# Altium PCB ALCT_MEZ_LX100.PcbDoc (part 9 of 10) (continued)
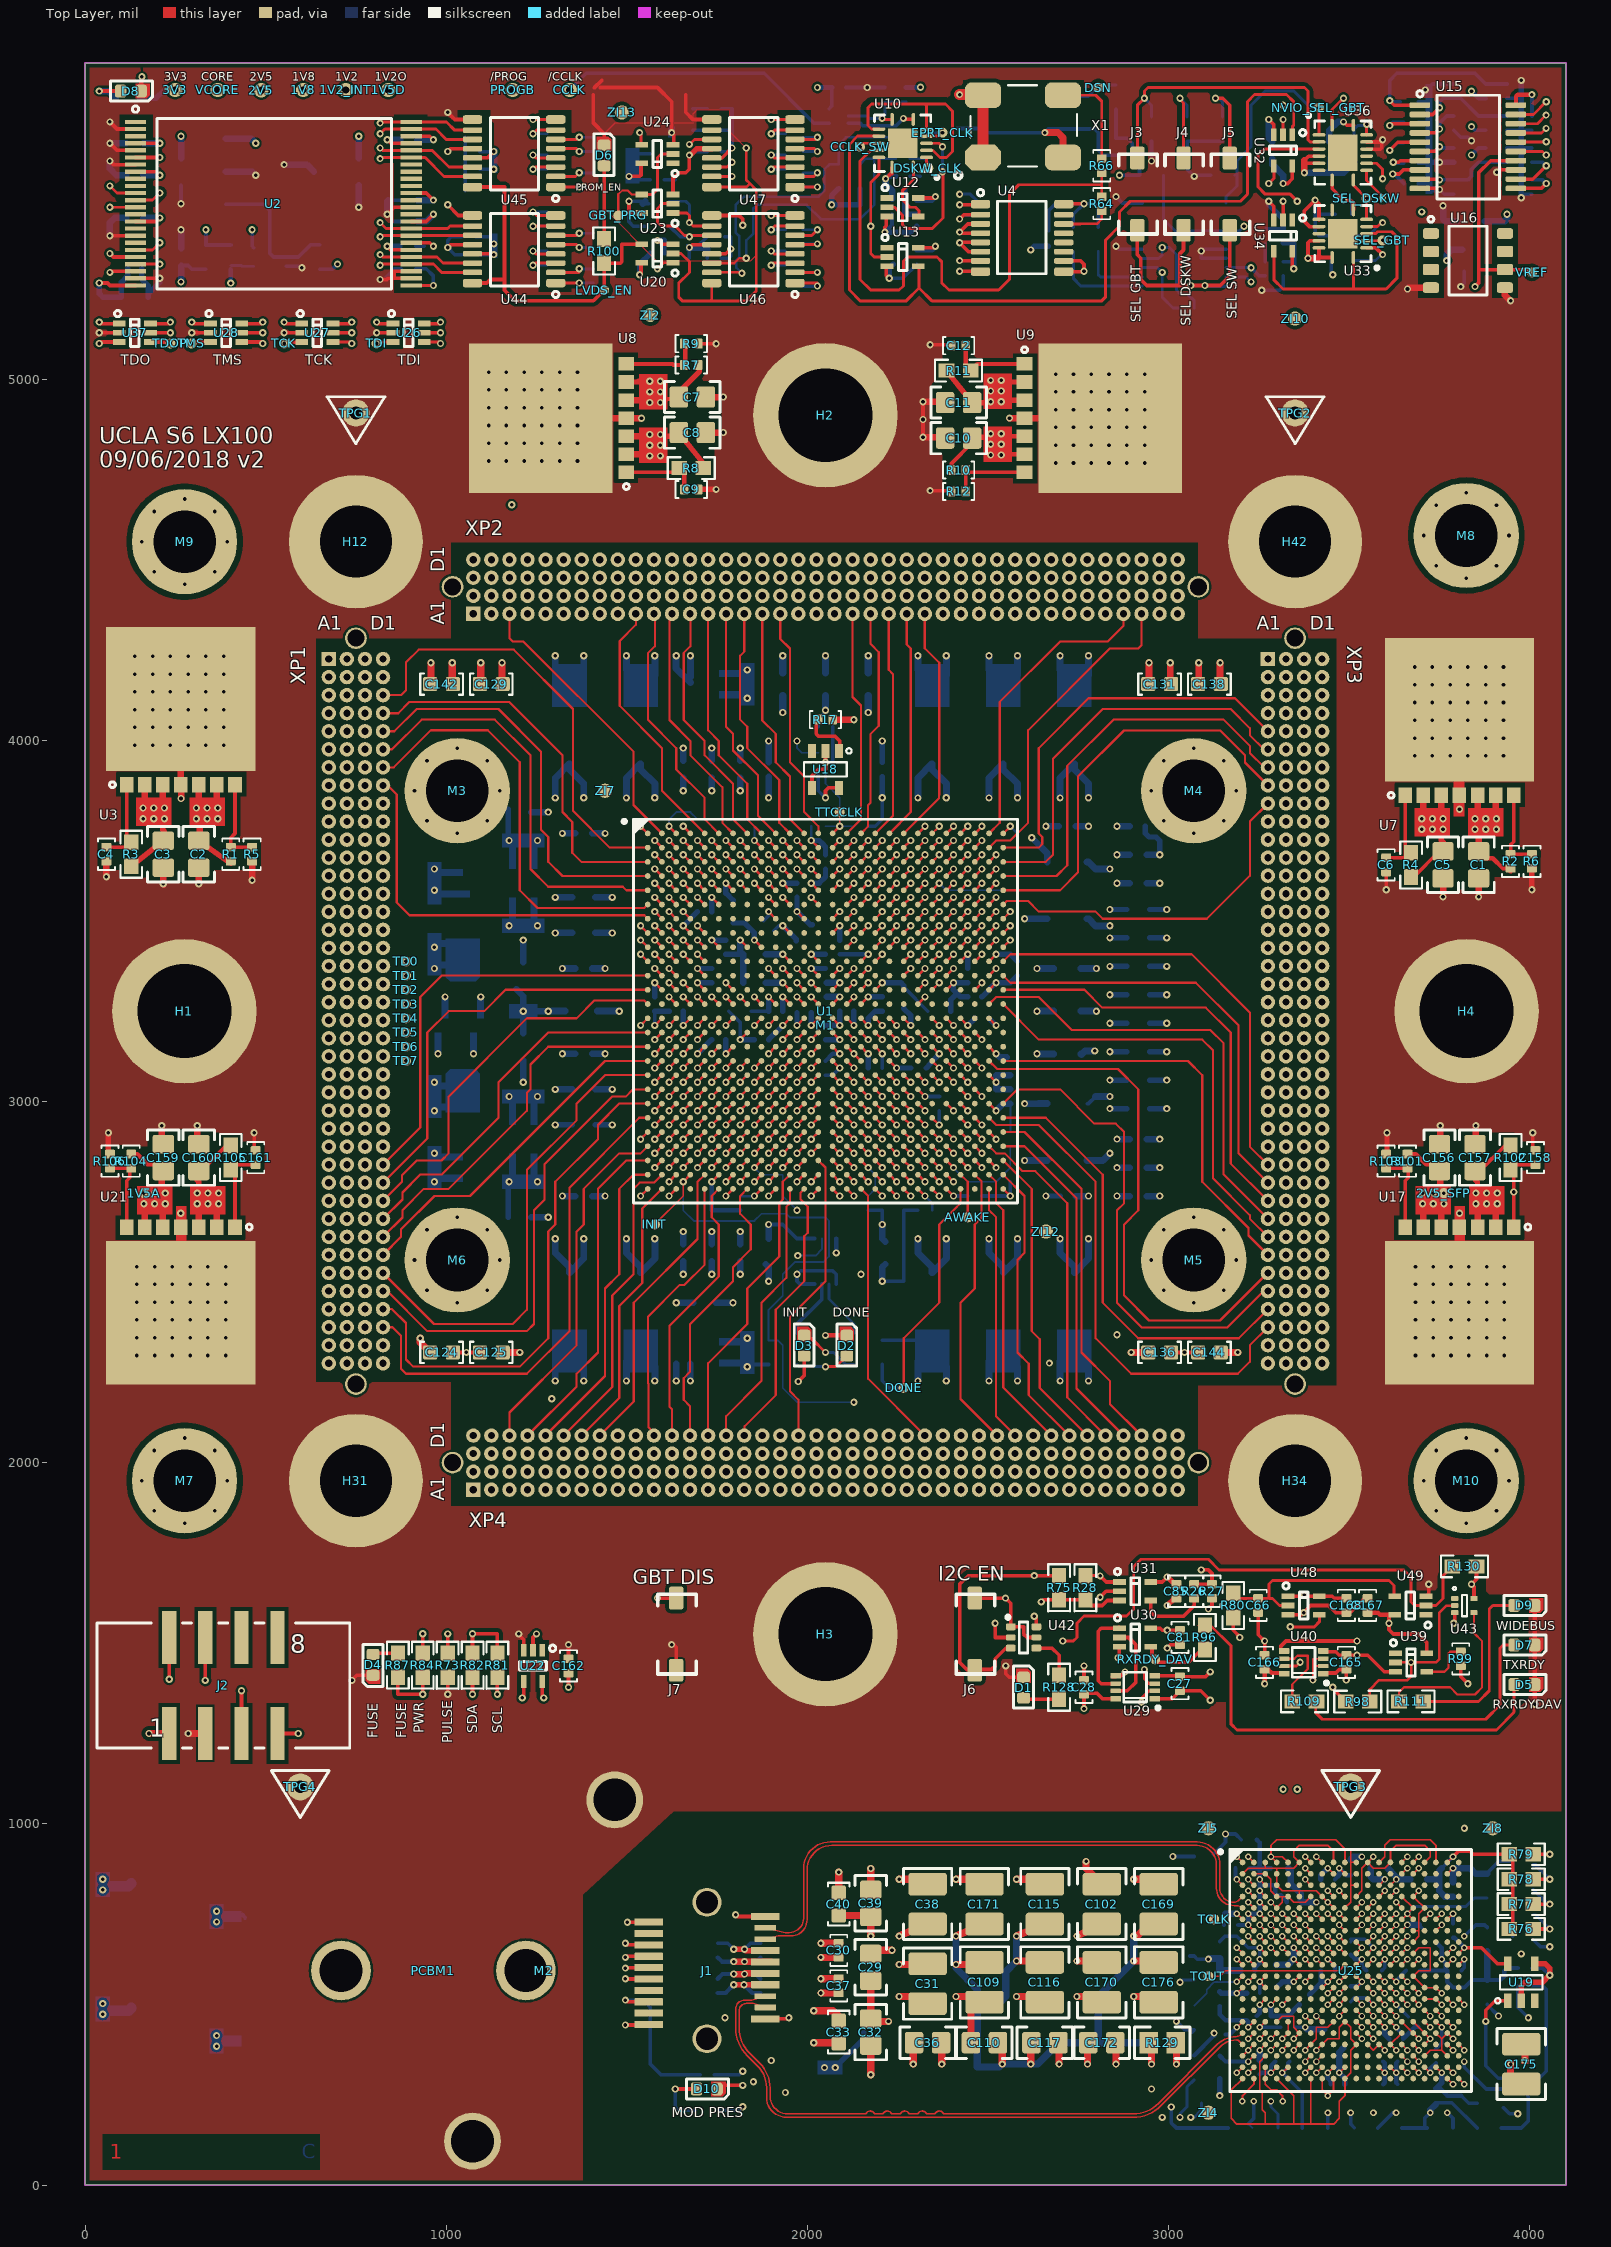
[diagram p0: Top Layer view]
## Polygon pours and split planes (outlines as drawn) (continued)
GND on Top Layer "Top Layer-GND" (solid, remove dead copper, pour order 272): 0,5875 0,0 1377.95,0 1377.95,803.77 1629.38,1034.25 4100,1034.25 4100,5875
no net on Top Layer "NONET_L01_P288" (solid, pour order 288): 1437.01,5679.33 1437.01,5472.44 1581.5,5327.95 1843.7,5327.95 1860.24,5344.49 1858.27,5346.46 1858.27,5523.83 1830.71,5551.39 1830.71,5639.76 1781.5,5688.98 1784.45,5691.93 1784.45,5744.29 1693.9,5744.29 1683.07,5733.46 1683.07,5708.66 1466.34,5708.66
+1V2 on Top Layer "+1V2_L01_P114" (solid, remove dead copper, pour order 114): 1375.2,4808.07 1258.27,4808.07 1258.27,4718.7 1355.51,4718.7 1375.2,4738.39
+3V3 on Top Layer "+3V3_L01_P080" (solid, remove dead copper, pour order 80): 1258.86,5018.5 1258.86,4920.87 1375.79,4920.87 1375.79,5018.5
+3V3 on +3V3 "+3V3_L04_P146" (solid, remove dead copper, pour order 146): 0,2372.24 0,1378.15 0,0.16 2431.1,0.16 2431.1,1181.3 2539.96,1290.16 3070.87,1290.16 3070.87,1368.31 3681.04,1368.31 3848.61,1535.54 3848.36,2608.51 3927.17,2687.8 3927.17,3002.17 3494.09,3002.17 3494.09,4252.17 4100,4252.17 4100,5875 0,5875
+1V5 on +3V3 "+1V5_L04_P128" (solid, remove dead copper, pour order 128): 2362.2,0.16 4100,0.16 4100,1525.79 4100,3868.31 3937.01,3868.31 3799.21,3868.31 3799.21,3710.83 3937.01,3523.82 3937.01,2676.47 3858.21,2597.67 3858.21,1526.32 3690.35,1358.46 3080.71,1358.46 3080.71,1280.32 2540.86,1280.32 2431.1,1170.56 2431.1,846.65 2431.1,679.33 2362.2,679.33
GND on +3V3 "GND_L04_P206" (solid, remove dead copper, pour order 206): 3503.94,3012.01 4100,3012.01 4100,4242.32 3503.94,4242.32
GND on Mid-Layer 2 "GND_L03_P286" (solid, remove dead copper, pour order 286): 3283.46,940.35 3283.46,359.66 3265.73,341.93 3251.97,341.93 3251.97,200.2 3001.97,200.2 3001.97,940.35
GND on Mid-Layer 2 "GND_L03_P250" (solid, remove dead copper, pour order 250): 3283.46,467.91 3283.46,215.94 3047.24,215.94 2969.29,137.99 1830.71,137.99 1781.5,187.2 1781.5,384.06 1742.13,423.43 1742.13,462.8 2007.87,462.8 1909.45,462.8 1899.61,452.95 1899.61,433.27 1929.13,403.74 1929.13,344.69 2057.87,215.94 2873.23,215.94 3125.2,467.91
GND on Mid-Layer 2 "GND_L03_P248" (solid, remove dead copper, pour order 248): 3283.46,1181.89 3283.46,265.94 1840.55,265.95 1840.55,1181.89
+2V5_SFP on Mid-Layer 2 "Mid-Layer 1-+2V5_SFP" (solid, remove dead copper, pour order 266): 3484.25,3858.47 3484.25,2204.92 3425.2,2145.87 3277.56,2145.87 3188.98,2057.28 3188.98,1840.75 3149.61,1801.38 2214.57,1801.38 2145.67,1870.28 895.67,1870.28 826.77,1801.38 667.65,1801.38 590.55,1878.48 590.55,2037.6 620.02,2067.07 620.02,2805.12 0,2805.12 0,1585.43 1358.27,1585.43 1417.32,1644.49 1860.83,1644.49 1938.98,1722.64 2116.14,1722.64 2528.94,1309.84 3642.32,1309.84 4100,1767.52 4100,3858.46
GND on Mid-Layer 2 "GND_L03_P254" (solid, remove dead copper, pour order 254): 0,2824.51 285.43,2824.51 620.02,2825.11 620.02,4340.69 651.38,4372.05 947.64,4372.05 974.41,4398.82 974.41,4527.56 1387.8,4527.56 1387.8,5019.62 1358.01,5049.41 196.85,5049.41 147.64,5098.62 147.64,5216.73 214.42,5283.51 0,5283.51
GND on Mid-Layer 2 "GND_L03_P210" (solid, remove dead copper, pour order 210): 3475,3878.15 4101.77,3878.15 4102.32,4458.86 4102.41,4557.29 4099.08,5197.05 3129.92,5197.05 3129.92,4321.06 3475,4321.06
GND on Mid-Layer 2 "GND_L03_P252" (solid, remove dead copper, pour order 252): 246.06,5875 0,5875 0,5256.1 757.87,5256.1 1072.83,5256.1 2864.17,5256.1 2952.76,5344.69 3228.35,5344.68 3287.4,5285.63 3287.4,5010.04 4100,5010.04 4100,5875 3297.24,5875
GND on Mid-Layer 2 "GND_L03_P204" (solid, remove dead copper, pour order 204): 3.92,1181.89 3.92,0.63 3031.5,0.28 3031.5,1181.89
+1V5A on Mid-Layer 6 "+1V5A_L07_P280" (solid, pour order 280): 0,2795.47 0,1732.48 314.96,1417.52 1446.85,1417.52 1830.12,1034.25 2509.84,1034.25 2618.11,925.98 2618.11,426.38 2578.74,387.01 2047.24,387.01 2007.87,347.64 2007.87,278.74 2037.4,249.21 2785.43,249.21 2824.8,288.58 2824.8,1211.42 2696.85,1339.37 1918.7,1339.37 1505.31,1752.76 600.39,1752.76 600.39,2795.47
GND on Mid-Layer 6 "GND_L07_P218" (solid, remove dead copper, pour order 218): 3651.58,2559.25 4025.59,2559.25 4025.59,5177.36 3651.58,5177.36
GND on Mid-Layer 6 "GND_L07_P212" (solid, remove dead copper, pour order 212): 0,2815.16 600.39,2815.16 600.39,4330.91 967.32,4330.91 967.32,5010.04 0,5010.04 0,4478.54 0,4409.65
sfp_vccr on Mid-Layer 6 "SFP_VCCR_L07_P276" (solid, pour order 276): 285.43,689.17 1289.37,689.17 1368.11,767.91 1584.65,767.91 1663.39,846.65 1889.76,846.65 1919.29,817.13 1919.29,679.92 1839.96,600.59 1771.65,600.59 1771.65,571.06 1850.39,571.06 1870.08,551.97 1993.81,551.97 2025.69,591.34 2076.77,591.34 2097.05,571.06 2332.68,571.06 2381.89,620.28 2381.89,954.92 2372.05,964.76 334.65,964.76 285.43,915.55
+2V5_SFP on Mid-Layer 8 "Mid-Layer 5-+2V5_SFP" (solid, remove dead copper, pour order 264): 3475,2837.8 4099.94,2837.8 4099.94,0.16 1328.68,0.16 1328.68,869.29 1385.37,925.98 2608.21,925.98 2608.21,268.9 1827.76,268.9 1801.12,295.53 1801.15,514.93 1850.39,514.96 1850.39,759.06 1761.81,839.76 1505.85,839.76 1407.42,741.34 1407.42,249.27 1486.22,170.47 3996,170.47 3996,2001.18 3917.26,2070.08 3475,2070.08
GND on Mid-Layer 8 "GND_L09_P284" (solid, pour order 284): 3169.29,4281.69 3080.71,4370.28 3080.71,4547.44 2657.48,4547.44 2618.11,4586.81 2618.11,5679.33 2677.17,5738.39 3336.61,5738.39 3356.3,5758.07 3356.3,5876.18 4098.82,5876.18 4100,5875 4100,4281.69
GND on Mid-Layer 8 "GND_L09_P220" (solid, remove dead copper, pour order 220): 4100,2844.69 4100,5875 3475,5875 3475,2844.69
+2V5_SFP on Mid-Layer 8 "+2V5_SFP_L09_P274" (solid, pour order 274): 0,925.98 0,0.16 1407.48,0.16 1407.48,925.98 246.06,925.98
no net on Mid-Layer 8 "NONET_L09_P282" (solid, pour order 282): 3474.41,4262.01
+2V5 on +2V5 "+2V5_L10_P144" (solid, remove dead copper, pour order 144): 0,0.16 4100,0.16 4100,5875 0,5875
GND on GND "GND_L02_P188" (solid, remove dead copper, pour order 188): 0,0.16 4100,0.16 4100,5875 0,5875
+VCORE on +1V8 "+VCORE_L08_P190" (solid, remove dead copper, pour order 190): 0,0.16 4100,0.16 4100,5875 1.18,5875 0,5876.18
+1V2 on +1V2 "+1V2_L06_P192" (solid, pour order 192): 0,0.16 4100,0.16 4100,5875 0,5875
GND on Bottom Layer "GND_L12_P256" (solid, remove dead copper, pour order 256): -0.06,0.79 4099.94,0.79 4099.94,5875 -0.06,5875

## Keep-outs
Keep-Out Layer:
  the board outline again, w5

## Other copper
Top Layer:
  region net +1V2: 2487.4,4868.5 2487.4,4770.08 2566.14,4770.08 2566.14,4868.5
  region net +VCORE: 2487.4,5016.14 2487.4,4917.72 2566.14,4917.72 2566.14,5016.14
  region net +1V8: 1612.6,4915.35 1612.6,5013.78 1533.86,5013.78 1533.86,4915.35
  region net +3V3: 1612.6,4767.72 1612.6,4866.14 1533.86,4866.14 1533.86,4767.72
  rectangle net +2V5: 288.58,3763.19 387.01,3841.93
  rectangle net +3V3: 140.95,3763.19 239.37,3841.93
  rectangle net +2V5_SFP: 3681.1,3733.66 3779.53,3812.4
  rectangle net +1V5: 3828.74,3733.66 3927.17,3812.4
  rectangle net GND: 3789.37,3789.57 3818.9,3947.05
  region net GND: 3821.26,2710.04 3791.73,2710.04 3791.73,2552.56 3821.26,2552.56
  region net +2V5_SFP: 3781.89,2765.95 3683.47,2765.95 3683.47,2687.21 3781.89,2687.21
  region net +3V3: 3929.53,2765.95 3831.1,2765.95 3831.1,2687.21 3929.53,2687.21
  region net GND: 281.1,2710.04 251.58,2710.04 251.58,2552.56 281.1,2552.56
  region net +1V5A: 241.73,2765.95 143.31,2765.95 143.31,2687.2 241.73,2687.2
  region net +2V5_SFP: 389.37,2765.95 290.95,2765.95 290.95,2687.2 389.37,2687.2
  rectangle net +1V5: 3937.01,285.63 3956.69,344.69
  rectangle net GND: 3976.38,334.84 3996.06,374.21
  pour cut-out: 2339.76,4978.35 2339.76,4793.31 2372.05,4793.31 2375.2,4790.16 2375.2,4771.65 2616.14,4771.65 2627.95,4783.46 2566.14,4845.28 2566.14,5005.31 2529.53,5041.93 2526.97,5039.37 2352.36,5039.37 2352.36,4992.91 2339.76,4980.32
  pour cut-out: 1466.54,4842.52 1515.75,4842.52 1594.49,4763.78 1742.13,4763.78 1742.13,4812.99 1761.81,4832.68 1761.81,4980.32 1751.97,4990.16 1633.86,4990.16 1604.33,5019.69 1476.38,5019.69 1466.54,5009.84
  pour cut-out: 3208.66,5787.4 3208.66,5629.92 3339.57,5629.92 3366.14,5656.5 3366.14,5787.4
  pour cut-out: 2234.25,5761.22 2234.25,5688.98 2312.99,5688.98 2312.99,5761.22
  pour cut-out: 246.06,2923.23 285.43,2923.23 285.43,2696.85 246.06,2696.85
  pour cut-out: 259.84,3605.71 271.65,3605.71 271.65,3726.38 305.12,3759.84 305.12,3858.27 226.38,3858.27 246.06,3838.58 246.06,3619.49
  pour cut-out: 3702.76,3587.99 3883.27,3587.99 3897.64,3602.36 3897.64,3622.05 3946.26,3622.05 3927.17,3641.14 3927.17,3877.95 3681.1,3877.95 3681.1,3609.65
  pour cut-out: 3667.32,2878.15 3671.46,2874.02 3740.16,2874.02 3740.16,2913.58 3750,2923.43 3750.2,2923.23 3877.95,2923.23 3887.8,2913.39 3956.69,2913.39 3966.54,2903.54 3956.69,2893.7 3956.69,2717.91 3945.47,2706.69 3730.32,2706.69 3667.32,2769.68
  pour cut-out: 3927.17,3622.05 3887.8,3622.05 3877.95,3631.89 3877.95,3661.42 3927.17,3661.42 3937.01,3651.57 3937.01,3631.89 3933.66,3631.89 3923.23,3621.46
  pour cut-out: 3702.76,3587.99 3725.79,3587.99 3730.32,3592.52 3720.47,3602.36 3720.47,3631.89 3700.79,3631.89 3702.76,3629.92
  pour cut-out: 2728.35,1311.22 2773.95,1311.22 2781.83,1319.09 2782.02,1318.9 3111.45,1318.9 3131.14,1338.58 3129.92,1339.8 3129.92,1397.64 2747.83,1397.64 2728.35,1378.15
  pour cut-out: 3118.78,1338.58 3173.23,1338.58 3173.23,1462.6 3159.45,1476.38 3051.18,1476.38 3041.34,1466.54 3041.34,1368.11 3088.86,1368.11 3089.06,1368.31
  pour cut-out: 151.58,2878.15 155.71,2874.02 187.01,2874.02 187.01,2854.33 174.21,2841.54 157.48,2841.54 144.49,2854.53 147.64,2857.68 147.64,2874.21
  pour cut-out: 370.28,2913.39 334.65,2913.39 334.65,2893.7 354.33,2874.02 374.02,2874.02 383.86,2883.86 383.86,2903.54 380.12,2903.54
  pour cut-out: 379.92,3641.14 379.33,3641.73 344.49,3641.73 344.49,3671.26 386.1,3671.26 386.1,3647.32
  pour cut-out: 159.45,3617.52 163.98,3622.05 187.01,3622.05 187.01,3671.26 153.3,3671.26 153.3,3623.67
  pour cut-out: 147.64,3622.05
  pour cut-out: 2438.19,4742.13 2375.2,4742.13 2375.2,4683.07 2438.19,4683.07
  pour cut-out: 2438.19,5098.43 2375.2,5098.43 2375.2,5039.37 2438.19,5039.37
  pour cut-out: 3667.32,2815.16 3667.32,2878.15 3608.27,2878.15 3608.27,2815.16
  pour cut-out: 4021.65,2825 4021.65,2887.99 3962.6,2887.99 3962.6,2825
  pour cut-out: 3952.76,3684.45 3952.76,3621.46 4011.81,3621.46 4011.81,3684.45
  pour cut-out: 3596.46,3674.61 3596.46,3611.61 3655.51,3611.61 3655.51,3674.61
  pour cut-out: 53.15,3704.13 53.15,3641.14 112.2,3641.14 112.2,3704.13
  pour cut-out: 397.64,3704.13 397.64,3641.14 456.69,3641.14 456.69,3704.13
  pour cut-out: 478.35,2825 478.35,2887.99 419.29,2887.99 419.29,2825
  pour cut-out: 127.95,2815.16 127.95,2878.15 68.9,2878.15 68.9,2815.16
  pour cut-out: 2559.06,5551.18 2555.21,5547.34 2555.21,5230.8 2809.54,5230.8 2824.8,5246.06 2824.8,5384.06 2864.17,5423.43 2838.58,5449.02 2838.58,5524.41 2811.81,5551.18
  pour cut-out: 1635.04,5121.65 1635.04,5015.35 1721.65,5015.35 1721.65,5121.65
  pour cut-out: 903.54,5593.9 901.57,5591.93 901.57,5239.57 1146.57,5239.57 1161.22,5254.22 1161.22,5546.77 1149.56,5546.77 1131.69,5564.63 1131.69,5708.86 1122.05,5718.5 929.72,5718.5 903.54,5692.32
  pour cut-out: 1437.01,5663.58 1437.01,5433.07 1472.24,5397.84 1747.83,5397.84 1801.18,5344.49 1860.24,5344.49 1860.24,5521.86 1830.71,5551.39 1830.71,5655.84 1792.49,5655.84 1784.45,5663.88 1784.45,5744.29 1693.9,5744.29 1693.9,5689.96 1677.47,5673.53 1446.95,5673.53
  pour cut-out: 1456.69,5452.76 1456.69,5295.28 1471.26,5280.71 1668.5,5280.71 1702.76,5314.96 1692.91,5324.8 1692.91,5452.76
  pour cut-out: 2155.51,5275.59 2178.94,5252.17 2535.43,5252.17 2559.06,5275.79 2559.06,5512.01 2585.24,5538.19 2814.96,5538.19 2814.96,5769.09 2796.65,5787.4 2440.95,5787.4 2155.51,5501.97
  pour cut-out: 3277.56,5501.97 3277.56,5288.78 3316.93,5249.41 3513.78,5249.41 3513.78,5492.13 3503.94,5501.97
  pour cut-out: 3356.69,5617.52 3342.52,5617.52 3342.52,5505.91 3405.51,5442.91 3523.62,5442.91 3548.23,5467.52 3548.23,5676.18 3415.35,5676.18
  pour cut-out: 2665.35,1702.28 2440.26,1702.28 2407.33,1669.35 2407.33,1441.09 2440.95,1407.48 2489.96,1407.48 2519.69,1437.2 2519.69,1456.89 2528.51,1456.89 2534.76,1450.65 2540.8,1456.69 2568.9,1456.69 2568.9,1328.74 2578.74,1318.9 2775.19,1318.9 2787.88,1331.58 2907.23,1331.58 2915.71,1323.1 2934.48,1323.1 2942.97,1331.58 3024.49,1331.58 3051.18,1358.27 3051.18,1423.42 3074.61,1446.85 3173.23,1446.85 3173.23,1275.79 3188.98,1260.04 3907.62,1260.04 3996.06,1348.49 3996.06,1622.24 3984.45,1633.86 3887.8,1633.86 3877.95,1643.7 3877.95,1742.13 3750,1742.13 3750,1655.71 3740.16,1645.87 3678.94,1645.87 3671.2,1653.6 3671.2,1683.07 3651.32,1702.95 3139.96,1702.76 3110.24,1732.48 2923.23,1732.48 2891.73,1700.98 2891.73,1685.24 2836.61,1685.24 2801.18,1720.67 2665.35,1720.67
  pour cut-out: 2923.23,1602.56 2921.46,1602.56 2874.02,1555.12 2874.02,1515.75 2879.21,1515.75 2908.74,1486.22 2972.44,1486.22 2972.44,1456.89 2982.28,1447.05 3055.12,1447.05 3083.59,1475.52 3083.59,1591.8 3070.87,1604.53 3070.87,1683.07 3051.18,1702.76 2940.75,1702.76 2923.23,1685.24 2923.23,1602.56
  pour cut-out: 1013.78,1880.12 1013.78,2224.61 639.76,2224.61 639.76,4281.69 1013.78,4281.69 1013.78,4547.44 3080.71,4547.44 3080.71,4281.69 3464.57,4281.69 3464.57,2214.76 3080.71,2214.76 3080.71,1880.12
  pour cut-out: 49.21,141.14 629.03,141.14 649.61,141.14 649.61,42.72 49.21,42.72
  pour cut-out: 1850.2,658.27 1912.8,658.27 1912.8,752.76 1850.2,752.76
  pour cut-out: 2431.1,5826.97 2431.1,5571.06 2765.75,5571.06 2765.75,5826.97
  text "1" at 4526.1,5134.21 h60
  text "TOP" at 4726.1,5134.21 h60
  text "COMPONENTS" at 5761.54,5134.21 h60
  text "1" at 68.9,72.24 h40
Mid-Layer 2:
  pour cut-out: 3254.72,313.19 3254.72,200.2 3299.21,200.2 3299.21,357.68
  pour cut-out: 49.21,141.14 649.61,141.14 649.61,42.72 49.21,42.72
  text "3" at 4526.1,4934.35 h60
  text "IN1" at 4726.1,4934.35 h60
  text "ROUTING" at 5761.54,4934.35 h60
  text "3" at 148.43,72.24 h40
Mid-Layer 4:
  rectangle net +1V5A: 147.64,2618.31 246.06,2775.79
  rectangle net +1V5_RXTXCMPS: 3051.18,374.21 3078.74,672.64
  rectangle net sfp_vcct: 344.49,364.37 383.86,433.27
  rectangle net sfp_vccr: 344.49,708.86 383.86,777.76
  pour cut-out: 49.21,141.14 649.61,141.14 649.61,42.72 49.21,42.72
  text "5" at 4526.1,4734.5 h60
  text "IN2" at 4726.1,4734.5 h60
  text "ROUTING & +1.8V PROM" at 5761.54,4734.5 h60
  text "5" at 246.06,72.24 h40
+1V2:
  pour cut-out: 49.21,141.14 629.03,141.14 649.61,141.14 649.61,42.72 49.21,42.72
  text "6" at 4526.1,4634.57 h56.25
  text "PWR" at 4726.1,4634.57 h56.25
  text "+1.2VINT" at 5761.54,4634.57 h56.25
  text "1V2" at 49.21,1391.14 h60
  text "6" at 295.28,72.24 h40
Mid-Layer 6:
  rectangle net +1V5A: 29.53,2677.36 236.22,2775.79
  pour cut-out: 3632.09,3848.43 3710.63,3769.88 3710.63,3769.69 3858.27,3769.69 3858.27,3820.73 3829.56,3849.44 3828.54,3848.43 3691.14,3848.43 3661.61,3877.95
  region net +1V5_RXTXCMPS: 3362.2,593.9
  pour cut-out: 49.21,141.14 629.03,141.14 649.61,141.14 649.61,42.72 49.21,42.72
  text "7" at 4526.1,4534.64 h60
  text "IN4" at 4726.1,4534.64 h60
  text "ROUTING" at 5761.54,4534.64 h60
  text "7" at 354.33,72.24 h40
Mid-Layer 8:
  pour cut-out: 49.21,141.14 629.03,141.14 649.61,141.14 649.61,42.72 49.21,42.72
  text "9" at 4526.1,4334.78 h60
  text "IN5" at 4726.1,4334.78 h60
  text "ROUTING" at 5761.54,4334.78 h60
  text "9" at 452.76,72.24 h40
+3V3:
  rectangle net +3V3: 3809,1643.7 3858.21,1692.91
  pour cut-out: 49.21,141.14 649.61,141.14 649.61,42.72 49.21,42.72
  text "4" at 4526.1,4834.43 h56.25
  text "PWR" at 4726.1,4834.43 h56.25
  text "+3.3V" at 5761.54,4834.43 h56.25
  text "4" at 196.85,72.24 h40
Mid-Layer 10:
  pour cut-out: 49.21,141.14 629.03,141.14 649.61,141.14 649.61,42.72 49.21,42.72
  text "11" at 4526.1,4134.93 h60
  text "IN7" at 4726.1,4134.93 h60
  text "ROUTING / MGT" at 5761.54,4134.93 h60
  text "B" at 551.18,72.24 h40
+1V8:
  pour cut-out: 49.21,141.14 629.03,141.14 649.61,141.14 649.61,42.72 49.21,42.72
  text "8" at 4526.1,4434.71 h56.25
  text "PWR" at 4726.1,4434.71 h56.25
  text "+1.8V VCORE" at 5761.54,4434.71 h56.25
  text "8" at 403.54,72.24 h40
+2V5:
  pour cut-out: 49.21,141.14 629.03,141.14 649.61,141.14 649.61,42.72 49.21,42.72
  text "10" at 4526.1,4234.86 h56.25
  text "PWR" at 4726.1,4234.86 h56.25
  text "+2V5" at 5761.54,4234.86 h56.25
  text "A" at 501.97,72.24 h40
GND:
  pour cut-out: 3192.91,429.33 3192.91,380.12 3218.5,380.12 3218.5,429.33
  pour cut-out: 3188.98,782.87 3188.98,751.38 3220.47,751.38 3220.47,782.87 3188.98,782.87
  pour cut-out: 3188.98,814.37 3188.98,782.87 3220.47,782.87 3220.47,814.37 3188.98,814.37
  pour cut-out: 1843.01,541.54 1843.01,472.64 1916.83,472.64 1916.83,541.54
  pour cut-out: 1845.47,728.54 1845.47,659.65 1919.29,659.65 1919.29,728.54
  pour cut-out: 49.21,141.14 629.03,141.14 649.61,141.14 649.61,42.72 49.21,42.72
  text "2" at 4526.1,5034.28 h60
  text "GND" at 4726.1,5034.28 h60
  text "GND" at 5761.54,5034.28 h60
  text "2" at 98.43,72.24 h40
Bottom Layer:
  rectangle net GND: 2480.32,5669.29 2490.16,5797.24
  rectangle net GND: 2411.42,5688.39 2490.16,5698.82
  rectangle net GND: 2480.32,5580.71 2490.16,5698.82
  region net +3V3: 987.01,3348.42 987.01,3466.53 947.64,3466.53 947.64,3348.42
  region net +3V3: 1046.06,3368.11 1046.06,3387.8 967.32,3387.8 967.32,3368.11
  region net +3V3: 1046.06,3427.16 1046.06,3446.85 967.32,3446.85 967.32,3427.16
  region net GND: 987.01,3545.28 987.01,3663.39 947.64,3663.39 947.64,3545.28
  region net GND: 1065.75,3564.96 1065.75,3584.65 987.01,3584.65 987.01,3564.96
  region net GND: 1046.06,3624.02 1046.06,3643.7 967.32,3643.7 967.32,3624.02
  region net GND: 987.01,2757.87 987.01,2875.98 947.64,2875.98 947.64,2757.87
  region net GND: 1046.06,2777.56 1046.06,2797.24 967.32,2797.24 967.32,2777.56
  region net GND: 1046.06,2836.61 1046.06,2856.3 967.32,2856.3 967.32,2836.61
  region net +3V3: 987.01,2954.72 987.01,3072.83 947.64,3072.83 947.64,2954.72
  region net +3V3: 1046.06,2974.41 1046.06,2994.09 967.32,2994.09 967.32,2974.41
  region net +3V3: 1046.06,3033.46 1046.06,3053.15 967.32,3053.15 967.32,3033.46
  rectangle net +1V5: 3472.44,857.68 3492.13,867.52
  region net +3V3: 1141.54,5334.84 1141.54,5403.74 1121.85,5403.74 1121.85,5334.84
  region net +3V3: 1141.54,5570.87 1141.54,5639.76 1121.85,5639.76 1121.85,5570.87
  region net +3V3: 1535.43,5541.54 1535.43,5639.96 1496.07,5639.96 1496.07,5541.54
  region net GND: 1633.87,5669.49 1633.87,5699.01 1614.18,5699.01 1614.18,5669.49
  region net GND: 1732.29,5374.22 1663.39,5374.22 1663.39,5354.53 1732.29,5354.53
  rectangle net GND: 3710.63,5512.01 3730.32,5817.13
  region net GND: 1252.76,3269.69 1174.02,3269.69 1174.02,3230.32 1252.76,3230.32
  region net GND: 1754.72,4135.83 1754.72,4116.14 1833.46,4116.14 1833.46,4135.83
  region net GND: 1754.72,4194.88 1754.72,4175.2 1833.46,4175.2 1833.46,4194.88
  region net GND: 1813.78,4214.57 1813.78,4096.46 1853.15,4096.46 1853.15,4214.57
  rectangle net GND: 1233.07,3643.7 1252.76,3722.44
  rectangle net GND: 1174.02,3643.7 1193.7,3722.44
  rectangle net GND: 1154.33,3702.76 1272.44,3742.13
  region net +2V5: 1193.7,3564.96 1174.02,3564.96 1174.02,3486.22 1193.7,3486.22
  region net +2V5: 1252.76,3564.96 1233.07,3564.96 1233.07,3486.22 1252.76,3486.22
  region net +2V5: 1272.44,3505.91 1154.33,3505.91 1154.33,3466.54 1272.44,3466.54
  region net +3V3: 1754.72,2285.43 1754.72,2265.75 1833.46,2265.75 1833.46,2285.43
  region net +3V3: 1754.72,2344.49 1754.72,2324.8 1833.46,2324.8 1833.46,2344.49
  region net +3V3: 1813.78,2364.17 1813.78,2246.06 1853.15,2246.06 1853.15,2364.17
  region net GND: 1193.7,2856.3 1174.02,2856.3 1174.02,2777.56 1193.7,2777.56
  region net GND: 1252.76,2856.3 1233.07,2856.3 1233.07,2777.56 1252.76,2777.56
  region net GND: 1272.44,2797.24 1154.33,2797.24 1154.33,2757.87 1272.44,2757.87
  rectangle net +3V3: 1233.07,2935.04 1252.76,3013.78
  rectangle net +3V3: 1174.02,2935.04 1193.7,3013.78
  rectangle net +3V3: 1154.33,2994.09 1272.44,3033.46
  region net GND: 987.01,3289.37 987.01,3230.32 1006.69,3230.32 1006.69,3289.37
  region net GND: 1085.43,3289.37 1085.43,3230.32 1105.12,3230.32 1105.12,3289.37
  region net +VCORE: 1085.43,3131.89 1085.43,3190.95 1065.75,3190.95 1065.75,3131.89
  region net +3V3: 987.01,3131.89 987.01,3190.95 967.32,3190.95 967.32,3131.89
  rectangle net +1V5A: 2027.56,305.32 2096.46,344.69
  region net sfp_vcct: 383.86,364.37 383.86,433.27 344.49,433.27 344.49,364.37
  region net +2V5_SFP: 68.9,452.95 68.9,521.85 29.53,521.85 29.53,452.95
  region net +2V5_SFP: 68.9,797.44 68.9,866.34 29.53,866.34 29.53,797.44
  region net sfp_vccr: 383.86,708.86 383.86,777.76 344.49,777.76 344.49,708.86
  rectangle net sfp_vcct: 364.17,384.06 433.07,413.58
  rectangle net sfp_vccr: 374.02,728.54 433.07,758.07
  pour cut-out: 1663.39,5423.23 1663.39,5334.65 1761.61,5334.65 1761.81,5334.84 1761.81,5423.23
  pour cut-out: 137.8,5305.12 137.8,5226.38 157.48,5206.69 216.54,5206.69 216.54,5269.88 191.14,5295.28 147.64,5295.28
  pour cut-out: 268.31,5383.86 314.96,5383.86 314.96,5324.8 295.28,5305.12 265.75,5305.12 265.75,5381.3
  pour cut-out: 826.77,5364.17 816.93,5354.33 816.93,5315.16 929.13,5315.16 938.39,5305.91 938.39,5367.52 836.61,5367.52 833.27,5364.17
  pour cut-out: 852.36,5349.94
  pour cut-out: 852.36,5495.47 852.36,5436.42 858.86,5442.91 951.38,5442.91 951.38,5492.13 954.72,5495.47
  pour cut-out: 1535.43,5600.39 1535.43,5551.38 1627.95,5551.38 1627.95,5623.43 1538.78,5623.43 1525.59,5610.24
  pour cut-out: 1698.82,5748.03 1702.76,5744.09 1702.76,5620.08 1771.65,5620.08 1781.5,5629.92 1781.5,5748.03
  pour cut-out: 1915.35,5433.27 1915.35,5328.74 1948.62,5295.47 2007.87,5295.47 2011.81,5299.41 2011.81,5437.2 2007.87,5433.27
  pour cut-out: 1801.18,5472.44 1801.18,5406.01 1828.25,5406.01 1830.71,5403.54 1850.39,5423.23 1850.39,5492.13 1830.71,5472.44
  pour cut-out: 2116.14,5669.49 2244.09,5669.49 2233.66,5679.92 2233.66,5729.72 2117.52,5729.72 2116.14,5728.35
  pour cut-out: 2185.04,5482.48 2145.67,5443.11 2155.51,5443.11 2178.33,5420.29 2213.2,5420.29 2234.25,5441.34 2234.25,5482.28 2185.24,5482.28
  pour cut-out: 2677.17,5475.79 2677.17,5344.49 2726.38,5344.49 2726.38,5485.63 2687.01,5485.63
  pour cut-out: 2952.76,5423.23 2952.76,5285.43 2982.28,5255.91 2983.66,5257.28 3129.92,5257.28 3129.92,5269.09 3169.29,5308.46 3169.29,5423.23
  pour cut-out: 3444.88,5689.17 3444.88,5589.96 3503.94,5589.96 3504.53,5590.55 3494.09,5600.98 3494.09,5688.98 3445.08,5688.98
  pour cut-out: 3734.93,5756.81 3735.15,5756.59 3735.15,5625.09 3740.16,5620.08 3779.53,5620.08 3769.69,5629.92 3769.69,5757.87 3735.99,5757.87
  pour cut-out: 3789.37,5708.66 3789.37,5610.24 3877.95,5610.24 3877.95,5708.66
  pour cut-out: 1013.78,1880.12 1013.78,2214.76 629.92,2214.76 629.92,4281.69 1013.78,4281.69 1013.78,4545.08 3080.71,4545.08 3080.71,4291.64 3474.41,4291.64 3474.41,2214.77 3080.71,2214.77 3080.71,1880.12
  pour cut-out: 49.21,141.14 629.03,141.14 649.61,141.14 649.61,42.72 49.21,42.72
  pour cut-out: -12424.86,-11328.83 -12424.02,-11329.4 -12423.45,-11330.24 -12423.25,-11331.24 -12423.25,-11386.36 -12423.45,-11387.36 -12424.02,-11388.21 -12424.86,-11388.77 -12425.86,-11388.97 -12992.79,-11388.97 -12993.79,-11388.77 -12994.64,-11388.21 -12995.2,-11387.36 -12995.4,-11386.36 -12995.4,-11382.42 -12995.4,-11331.24 -12995.2,-11330.24 -12994.64,-11329.4 -12993.79,-11328.83 -12992.79,-11328.63 -12425.86,-11328.63
  region net +3V3: 2066.93,5482.48
  pour cut-out: 4100,0.72 4100,1231.1 0,1231.1 0,0.16
  text "12" at 4526.1,4035 h60
  text "BOT" at 4726.1,4035 h60
  text "ROUTING / COMPONENTS" at 5761.54,4035 h60
  text "C" at 600.39,72.24 h40

## Silkscreen, mask and mechanical layers (free items; w line width, h text height)
Top Overlay:
  text "3V3" at 219.68,5825.98 h23.62
  text "CORE" at 322.05,5825.98 h23.62
  text "2V5" at 455.91,5825.98 h23.62
  text "1V8" at 574.02,5825.98 h23.62
  text "1V2" at 692.13,5825.98 h23.62
  text "1V2O" at 802.36,5825.98 h23.62
  text "/PROG" at 1121.26,5825.98 h23.62
  text "/CCLK" at 1282.68,5825.98 h23.62
  text "PROM_EN" at 1358.27,5521.85 h19.68
  text "SEL SW" at 3188.98,5167.52 h27.56 r90
  text "SEL GBT" at 2923.23,5157.68 h27.56 r90
  text "SEL DSKW" at 3061.02,5147.83 h27.56 r90
  text "TDO" at 98.43,5039.57 h27.56
  text "TMS" at 354.33,5039.57 h27.56
  text "TCK" at 610.24,5039.57 h27.56
  text "TDI" at 866.14,5039.57 h27.56
  text "UCLA S6 LX100 / 09/06/2018 v2" at 39.37,4754.13 h45
  text "XP2" at 1053.15,4567.13 h40
  text "XP3" at 3494.09,4262.01 h40 r270
  text "XP1" at 610.24,4153.74 h40 r90
  text "SILK TOP" at 4527.56,3494.16 h60
  text "INIT" at 1931.89,2403.54 h25
  text "DONE" at 2069.69,2403.54 h25
  text "XP4" at 1062.99,1821.06 h40
  text "I2C EN" at 2362.2,1673.43 h40
  text "GBT DIS" at 1515.75,1663.58 h40
  text "WIDEBUS" at 3907.48,1535.63 h25
  text "TXRDY" at 3927.17,1427.36 h25
  text "RXRDYDAV" at 3897.64,1319.09 h25
  text "PWR" at 938.19,1250.19 h27.56 r90
  text "SDA" at 1085.83,1250.19 h27.56 r90
  text "SCL" at 1154.73,1250.19 h27.56 r90
  text "FUSE" at 810.24,1236.41 h27.56 r90
  text "FUSE" at 888.98,1236.41 h27.56 r90
  text "PULSE" at 1016.93,1222.64 h27.56 r90
  text "MOD PRES" at 1624.02,187.17 h27.56
Bottom Overlay:
  lines w7.87: 3661.42,5153.23 3907.48,5153.23
  lines w10: 9.84,1225 4084.65,1225 ; 26.97,5153.23 4066.97,5153.23 ; 550,2148.82 950,2148.82 950,1798.82 3150,1798.82 3150,2148.82 3550,2148.82 3550,4348.82 3150,4348.82 3150,4623.82 950,4623.82 950,4348.82 550,4348.82 550,2148.82
  text "CLK" at 2187.8,3801.18 h27.56
  text "TCK" at 2640.55,3781.5 h27.56
  text "HSWAP" at 1941.73,3771.65 h27.56
  text "SILK BOTTOM" at 4527.56,3384.8 h60
  text "CCLK" at 2532.28,2895.67 h27.56 r90
  text "M1" at 2128.74,2679.13 h27.56
  text "M0" at 2512.6,2679.13 h27.56
Top Paste:
  text "PASTE TOP" at 4527.56,3275.44 h60
Bottom Paste:
  text "PASTE BOTTOM" at 4527.56,3166.08 h60
Top Solder:
  text "MASK TOP" at 4527.56,3056.71 h60
Bottom Solder:
  text "MASK BOTTOM" at 4527.56,2947.35 h60
Assembly Top:
  text "ASSEMBLY TOP" at 4527.56,3822.24 h60
Assembly Bottom:
  text "ASSEMBLY BOTTOM" at 4527.56,3712.88 h60
Board Outline:
  the board outline again, w5